# Altium PCB PCB1.PcbDoc
Units mm, origin at the board's own origin, x right, y up, seen from the top; angles counter-clockwise.
Board outline 58.42 x 99.82 mm, 2 copper layers (Top Layer, Bottom Layer); 66 components, 129 nets, 409 pads, 114 vias.
Unrouted connection lines stored in the file: 4.
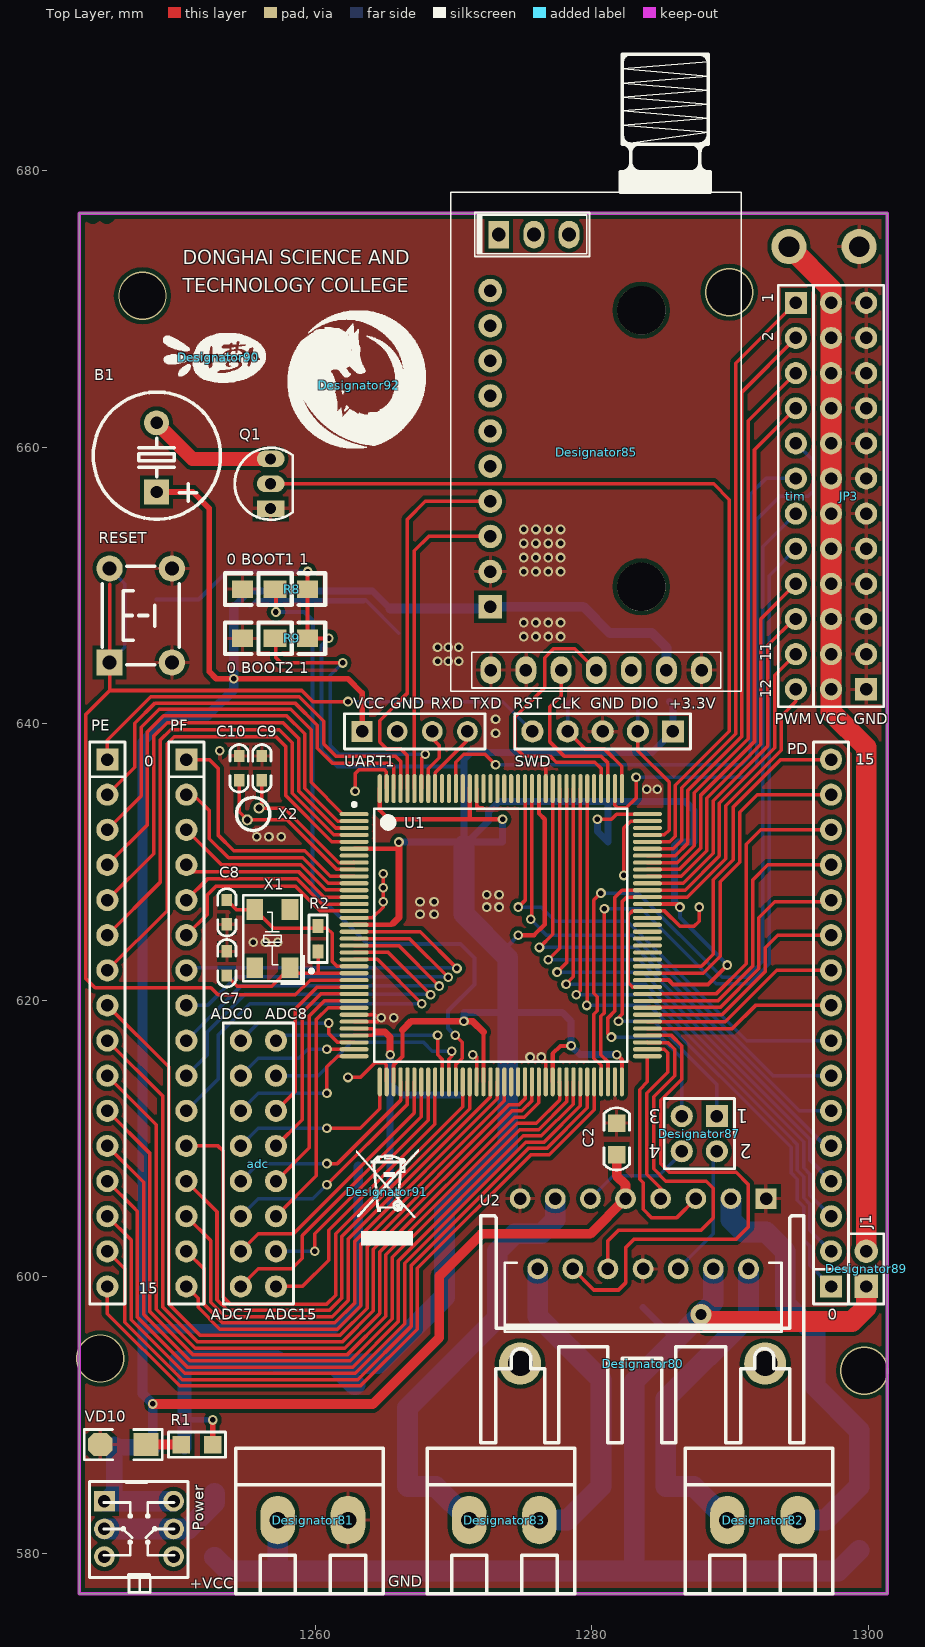
[diagram p0: Top Layer view]
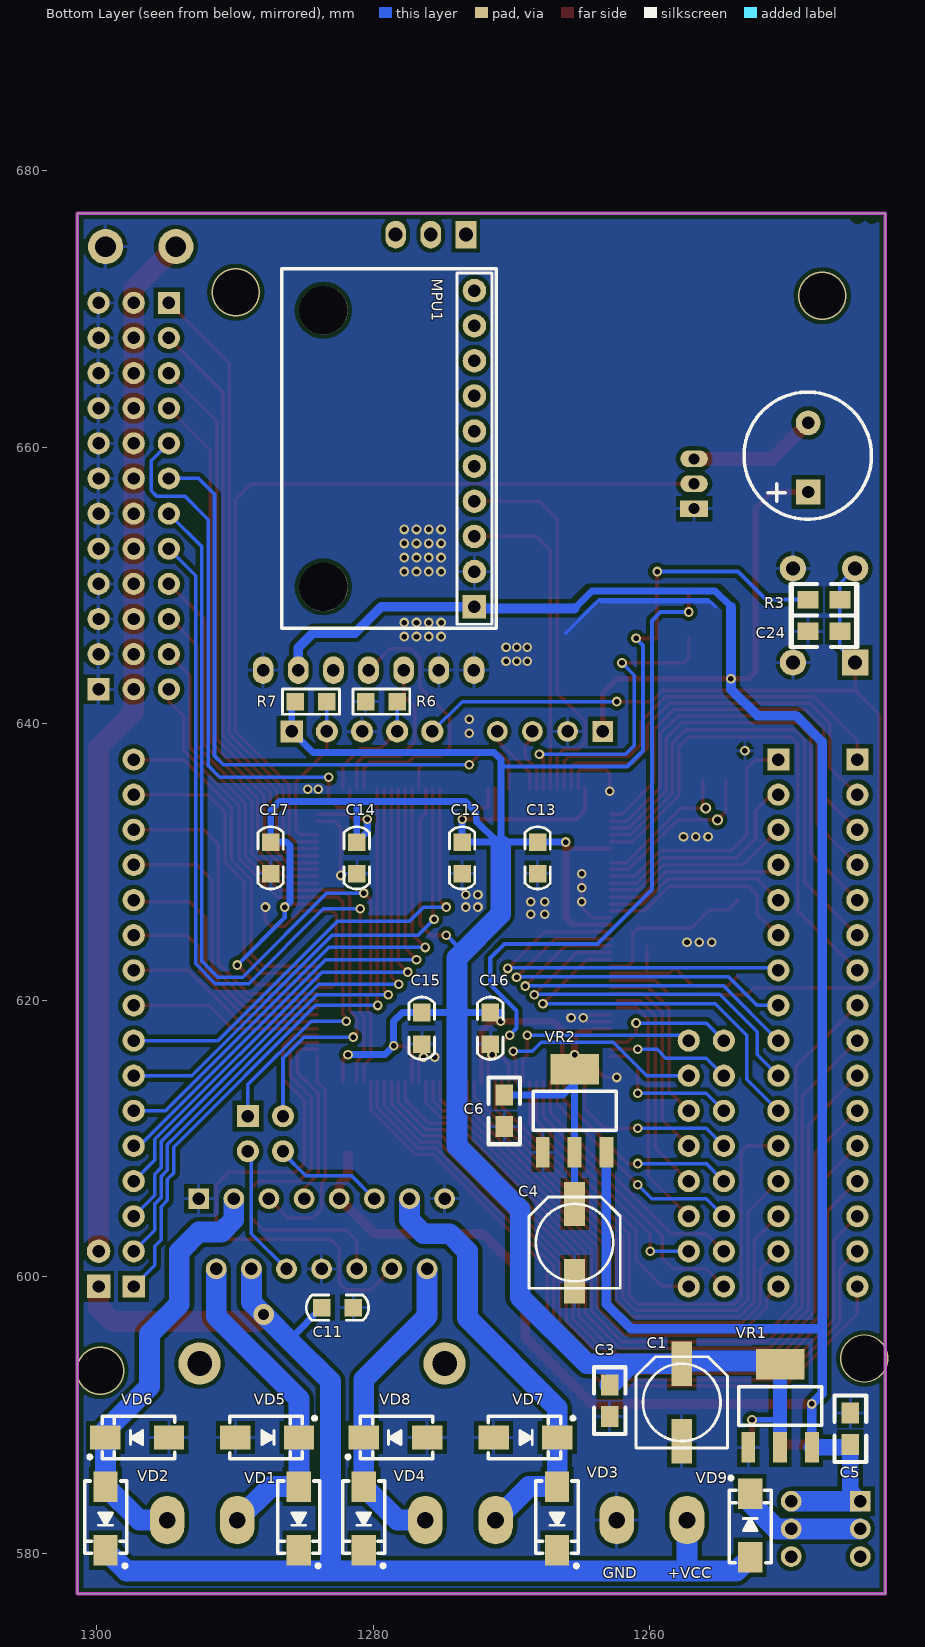
[diagram p1: Bottom Layer view, seen from below]

## Layer stack, top to bottom
Top Solder: solder mask 0.0102, Solder Resist, Dk 3.5
Top Layer: signal copper 0.0356
Dielectric1: dielectric 0.32, FR-4, Dk 4.8
Bottom Layer: signal copper 0.0356
Bottom Solder: solder mask 0.0102, Solder Resist, Dk 3.5

## Board outline
1242.949,577.088 1242.949,676.91 1301.369,676.91 1301.369,577.088

## Design rules (kind name [scope] priority, off if disabled: settings)
Clearance [All] p1: gap=0.2
PolygonConnect [All] p1: connectstyle=Relief reliefconductorwidth=0.254 reliefentries=4 polygonreliefangle="90 Angle" airgapwidth=0.254
RoutingVias [All] p1: holewidth=0.4 width=0.7 viastyle="Through Hole" minholewidth=0.2 minwidth=0.6 maxholewidth=0.711 maxwidth=1
SolderMaskExpansion [All] p1: expansion=0.102
Width [All] p1: maxlimit=2 minlimit=0.2 preferedwidth=0.254
30 further rules are at their usual default settings.

## Components (designator, comment, footprint, x,y, rotation, side; value= is the part's Value field where it differs from the comment)
"0 BOOT1 1" "10k" 0805 1257.046,649.732 r180 top (schematic designator R4)
"0 BOOT2 1" "10k" 0805 1257.046,646.176 r180 top (schematic designator R5)
adc "Header 8X2" HDR-8X2 1254.633,617.093 r270 top
B1 "DC5V" "BEEP 5x9x5.5" 1248.537,659.257 r0 top
C1 "220uF" CC6.56.5 1257.681,590.931 r270 bottom
C2 "104" "C 0805" 1281.811,609.981 r90 top
C3 "104" 0805 1262.888,592.201 r270 bottom
C4 "220uF" CC6.56.5 1265.428,602.488 r270 bottom
C5 "104" 0805 1245.489,587.883 r90 bottom
C6 "104" 0805 1270.508,613.156 r270 bottom
C7 "22pf" "C 0603" 1253.617,622.681 r90 top
C8 "22pf" "C 0603" 1253.617,626.364 r270 top
C9 "10pf" "C 0603" 1256.157,636.778 r270 top
C10 "10pf" "C 0603" 1254.506,636.778 r270 top
C11 "104" "C 0805" 1282.573,597.789 r180 bottom
C12 "104" "C 0805" 1273.556,630.301 r270 bottom
C13 "104" "C 0805" 1268.095,630.301 r270 bottom
C14 "104" "C 0805" 1281.176,630.301 r270 bottom
C15 "104" "C 0805" 1276.477,617.982 r270 bottom
C16 "104" "C 0805" 1271.524,617.982 r270 bottom
C17 "104" "C 0805" 1287.399,630.301 r270 bottom
C24 "104" 0805 1246.251,646.684 r0 bottom
Designator80 "Comment" 中型散热器 1286.256,599.059 r180 top
Designator81 "Comment" KF128-5.08-2P 1257.3,582.422 r0 top
Designator82 "Comment" KF128-5.08-2P 1289.812,582.422 r0 top
Designator83 "Comment" KF128-5.08-2P 1271.143,582.422 r0 top
Designator85 "Comment" 射频模块 1281.176,663.067 r90 top
Designator87 "Comment" HDR-2X2 1289.05,611.632 r180 top
Designator89 "Comment" HDR-1X2 1299.845,599.313 r90 top
Designator90 "Comment" logo 1252.982,666.496 r0 top
Designator91 "Comment" logo1 1265.178,606.168 r0 top
Designator92 "Comment" WOLF 1263.142,664.464 r0 top
JP3 "Header 2X11" HDR-12X2 1299.845,642.493 r90 top
MPU1 "HDR-1X10" HDR-1X10_M 1272.667,648.462 r90 bottom
PD "HDR-1X16" HDR-1X16 1297.305,599.313 r90 top
PE "HDR-1X16" HDR-1X16 1244.981,637.413 r270 top
PF "HDR-1X16" HDR-1X16 1250.696,637.413 r270 top
Power "KET 7X7" "KFT DIP-7X7" 1247.267,581.787 r0 top (schematic designator SW1)
Q1 "SS8050" TO92A 1256.792,657.352 r0 top
R1 "512" "R 0805" 1251.458,587.883 r180 top
R2 "1M" "R 0603" 1260.221,624.459 r90 top
R3 "10k" 0805 1246.251,648.97 r0 bottom
R6 "10k" "R 0805" 1279.398,641.604 r0 bottom
R7 "10k" "R 0805" 1284.478,641.604 r0 bottom
R8 "10k" 0805 1259.459,649.732 r180 top (schematic designator R4)
R9 "10k" 0805 1259.459,646.176 r180 top (schematic designator R4)
RESET "6x6x5" "TSW DIP-6*6*5" 1247.394,647.827 r90 top (schematic designator SW2)
SWD "HDR-1X5" HDR-1X5 1285.875,639.445 r180 top (schematic designator swd)
tim "HDR-1X12" HDR-1X12_M 1294.765,670.433 r270 top
U1 "STM32F103ZET6" STM-LQFP144_M 1273.429,624.713 r0 top
U2 "L298N" Multiwatt15V 1283.716,603.123 r180 top
UART1 "HDR-1X4" HDR1X4 1263.396,639.445 r0 top
VD1 "1N4007" SMA 1285.367,582.549 r270 bottom
VD2 "1N4007" SMA 1299.337,582.549 r270 bottom
VD3 "1N4007" SMA 1266.698,582.549 r270 bottom
VD4 "1N4007" SMA 1280.668,582.549 r270 bottom
VD5 "1N4007" SMA 1287.653,588.391 r180 bottom
VD6 "1N4007" SMA 1297.051,588.391 r0 bottom
VD7 "1N4007" SMA 1268.984,588.391 r180 bottom
VD8 "1N4007" SMA 1278.382,588.391 r0 bottom
VD9 "1N4007" SMA 1252.728,582.041 r90 bottom (schematic designator VD7)
VD10 "1N4007" "LED 1206G" 1246.124,587.883 r180 top (schematic designator VD7)
VR1 "AMS1117-3.3" SOT-223 1250.569,590.677 r270 bottom
VR2 "AMS1117-3.3" SOT-223 1265.428,612.013 r270 bottom
X1 "8MHz" XTAL-5032 1256.919,624.459 r90 top
X2 "32.768K" XTAL-2X6 1255.522,633.476 r45 top

## Footprints (in the part's own frame and the unit in brackets; to place one, negate y for a bottom-side part, rotate by r counter-clockwise, add the part's x,y. Pads: shape width x height; smd on the part's side, far side on the other; paste and mask are expansions set on the pad)
0805 [mil]
  rect 60x50 smd: 1(0,-0.06) 2(90,-0.06)
  silkscreen extent -50,-45 140,45
"BEEP 5x9x5.5" [mm] "5*9*5.5mm(脚距,直径,高度)"
  rect 1.8x1.8 hole 0.9: 1(0,-2.5)
  round 1.8 hole 0.9: 2(0,2.5)
  silkscreen extent -4.58,-4.47 4.62,4.72, body extent -4.5,-4.5 4.5,4.5, height 5.45
"C 0603" [mil] "无极性贴片电容"
  rect 35x30 smd: 1(-35,0) 2(34,0)
  silkscreen extent -67,-26 67,26, body extent -31,-16 31,16, height 32
"C 0805" [mil] "无极性贴片电容"
  rect 50x50 smd: 1(-45,0) 2(45,0)
  silkscreen extent -89,-36 89,36, body extent -39,-24 39,24, height 20
CC6.56.5 [mm]
  rect 3.2x1.5 smd: 1(-2.794,0) 2(2.8,0)
  silkscreen extent -3.3,-3.3 3.3,3.3
HDR1X4 [mm] "Connector; Header; 4 Position"
  rect 1.5x1.5 hole 0.9: 1(0,0)
  round 1.5 hole 0.9: 2(2.54,0) 3(5.08,0) 4(7.62,0)
  silkscreen extent -1.27,-1.27 8.89,1.27
HDR-1X2 [mm] "排针，2脚"
  rect 1.7x1.7 hole 0.9: 1(0,0)
  round 1.7 hole 0.9: 2(2.54,0)
  silkscreen extent -1.27,-1.27 3.81,1.27, body extent -1.27,-1.27 3.81,1.27, height 8.5
HDR-1X5 [mm] "排针，5脚"
  rect 1.6x1.6 hole 0.9: 1(0,0)
  round 1.6 hole 0.9: 2(2.54,0) 3(5.08,0) 4(7.62,0) 5(10.16,0)
  silkscreen extent -1.27,-1.27 11.43,1.27, body extent -1.27,-1.27 11.43,1.27, height 8.5
HDR-1X10_M [mm] "排母，10脚"
  rect 1.7x1.7 hole 0.9: 1(0,0)
  round 1.7 hole 0.9: 2(2.54,0) 3(5.08,0) 4(7.62,0) 5(10.16,0) 6(12.7,0) 7(15.24,0) 8(17.78,0) 9(20.32,0) 10(22.86,0)
  silkscreen extent -1.27,-1.27 24.13,1.27, body extent -1.27,-1.27 24.13,1.27, height 8.5
HDR-1X12_M [mm] "排母，12脚"
  rect 1.6x1.6 hole 0.9: 1(0,0)
  round 1.6 hole 0.9: 2(2.54,0) 3(5.08,0) 4(7.62,0) 5(10.16,0) 6(12.7,0) 7(15.24,0) 8(17.78,0) 9(20.32,0) 10(22.86,0) 11(25.4,0) 12(27.94,0)
  silkscreen extent -1.27,-1.27 29.21,1.27, body extent -1.27,-1.27 29.21,1.27, height 8.5
HDR-1X16 [mm] "排针，16脚"
  rect 1.6x1.6 hole 0.9: 1(0,0)
  round 1.6 hole 0.9: 2(2.54,0) 3(5.08,0) 4(7.62,0) 5(10.16,0) 6(12.7,0) 7(15.24,0) 8(17.78,0) 9(20.32,0) 10(22.86,0) 11(25.4,0) 12(27.94,0) 13(30.48,0) 14(33.02,0) 15(35.56,0) 16(38.1,0)
  silkscreen extent -1.27,-1.27 39.37,1.27, body extent -1.27,-1.27 39.37,1.27, height 8.5
HDR-2X2 [mm] "双排排针，2x2脚"
  rect 1.6x1.6 hole 0.9: 1(0,0)
  round 1.6 hole 0.9: 2(0,2.54) 3(2.54,0) 4(2.54,2.54)
  silkscreen extent -1.27,-1.27 3.81,3.81, body extent -1.27,-1.27 3.81,3.81, height 8.5
HDR-8X2 [mm] "双排排针，8x2脚"
  round 1.6 hole 0.9: 1(0,0) 2(0,2.54) 3(2.54,0) 4(2.54,2.54) 5(5.08,0) 6(5.08,2.54) 7(7.62,0) 8(7.62,2.54) 9(10.16,0) 10(10.16,2.54) 11(12.7,0) 12(12.7,2.54) 13(15.24,0) 14(15.24,2.54) 15(17.78,0) 16(17.78,2.54)
  silkscreen extent -1.27,-1.27 19.05,3.81, body extent -1.27,-1.27 19.05,3.81, height 8.5
HDR-12X2 [mm] "双排排针，12x2脚"
  rect 1.6x1.6 hole 0.9: 1(0,0)
  round 1.6 hole 0.9: 2(0,2.54) 3(2.54,0) 4(2.54,2.54) 5(5.08,0) 6(5.08,2.54) 7(7.62,0) 8(7.62,2.54) 9(10.16,0) 10(10.16,2.54) 11(12.7,0) 12(12.7,2.54) 13(15.24,0) 14(15.24,2.54) 15(17.78,0) 16(17.78,2.54) 17(20.32,0) 18(20.32,2.54) 19(22.86,0) 20(22.86,2.54) 21(25.4,0) 22(25.4,2.54) 23(27.94,0) 24(27.94,2.54)
  silkscreen extent -1.27,-1.27 29.21,3.81, body extent -1.27,-1.27 29.21,3.81, height 8.5
KF128-5.08-2P [mm] "螺钉式接线端子，脚距5.08mm"
  oval 2.5x3.5 hole 1.2: 1(0,0) 2(5.08,0)
  silkscreen extent -3.05,-5.31 7.62,5.21, body extent -3.04,-5.3 7.62,5.2, height 14.15
"KFT DIP-7X7" [mm] "自锁开关，规格：7*7mm"
  rect 1.5x1.5 hole 0.9: 1(-2.5,2)
  round 1.5 hole 0.9: 2(-2.5,0) 3(-2.5,-2) 4(2.5,-2) 5(2.5,0) 6(2.5,2)
  silkscreen extent -3.58,-4.58 3.56,3.42, body extent -3.5,-3.5 3.5,3.5, height 11.2
"LED 1206G" [mil] "绿色1206LED"
  rect 70x65 smd: 1(-65,0)
  oct 70x65 smd: 2(65,0)
  silkscreen extent -111,-43 111,43, body extent -63,-32 63,32, height 40
logo [mm]
  silkscreen extent -3.97,-1.8 3.47,1.75
logo1 [mm]
  silkscreen extent -2.22,-3.84 2.31,3.07
Multiwatt15V [mm] "TO, Thru-Hole, Vertical, Heatsink Mounted; 15 Bent Staggered Leads; Pitch 1.27 mm"
  rect 1.5x1.5 hole 0.9: 1(-8.89,-2.54)
  round 1.5 hole 0.9: 2(-7.62,2.54) 3(-6.35,-2.54) 4(-5.08,2.54) 5(-3.81,-2.54) 6(-2.54,2.54) 7(-1.27,-2.54) 8(0,2.54) 9(1.27,-2.54) 10(2.54,2.54) 11(3.81,-2.54) 12(5.08,2.54) 13(6.35,-2.54) 14(7.62,2.54) 15(8.89,-2.54)
  silkscreen extent -10,2.09 10,7.09
"R 0603" [mil] "1/10W贴片电阻"
  rect 40x31.5 smd: 1(-36.5,0) 2(36.5,0)
  silkscreen extent -68,-26 68,26, body extent -31,-16 31,16, height 16
"R 0805" [mil] "1/8W贴片电阻"
  rect 50x50 smd: 1(-45,0) 2(45,0)
  silkscreen extent -81,-36 81,36, body extent -39,-25 39,25, height 20
SMA [mm] "4.5x2.6*2.2mm（长宽高，不包括引脚）"
  rect 2.2x1.75 smd: 1(-2.3,0) 2(2.3,0)
  silkscreen extent -2.7,-1.52 3.56,1.52, body extent -2.53,-1.3 2.57,1.3, height 2.15
SOT-223 [mm]
  rect 2.2x1 smd: 1(3,-2.3) 2(3,0) 3(3,2.3)
  rect 2.2x3.5 smd: 2(-3,0)
  silkscreen extent -1.4,-3 1.4,3, body extent -3.49,-3.24 3.49,3.24, height 1.64
STM-LQFP144_M [mm] "Thin QFP, 144-Leads, Body 20x20mm, Pitch 0.5mm, IPC Low Density"
  oval 2.1x0.3 smd: 1(-10.6,8.75) 2(-10.6,8.25) 3(-10.6,7.75) 4(-10.6,7.25) 5(-10.6,6.75) 6(-10.6,6.25) 7(-10.6,5.75) 8(-10.6,5.25) 9(-10.6,4.75) 10(-10.6,4.25) 11(-10.6,3.75) 12(-10.6,3.25) 13(-10.6,2.75) 14(-10.6,2.25) 15(-10.6,1.75) 16(-10.6,1.25) 17(-10.6,0.75) 18(-10.6,0.25) 19(-10.6,-0.25) 20(-10.6,-0.75) 21(-10.6,-1.25) 22(-10.6,-1.75) 23(-10.6,-2.25) 24(-10.6,-2.75) 25(-10.6,-3.25) 26(-10.6,-3.75) 27(-10.6,-4.25) 28(-10.6,-4.75) 29(-10.6,-5.25) 30(-10.6,-5.75) 31(-10.6,-6.25) 32(-10.6,-6.75) 33(-10.6,-7.25) 34(-10.6,-7.75) 35(-10.6,-8.25) 36(-10.6,-8.75) 73(10.6,-8.75) 74(10.6,-8.25) 75(10.6,-7.75) 76(10.6,-7.25) 77(10.6,-6.75) 78(10.6,-6.25) 79(10.6,-5.75) 80(10.6,-5.25) 81(10.6,-4.75) 82(10.6,-4.25) 83(10.6,-3.75) 84(10.6,-3.25) 85(10.6,-2.75) 86(10.6,-2.25) 87(10.6,-1.75) 88(10.6,-1.25) 89(10.6,-0.75) 90(10.6,-0.25) 91(10.6,0.25) 92(10.6,0.75) 93(10.6,1.25) 94(10.6,1.75) 95(10.6,2.25) 96(10.6,2.75) 97(10.6,3.25) 98(10.6,3.75) 99(10.6,4.25) 100(10.6,4.75) 101(10.6,5.25) 102(10.6,5.75) 103(10.6,6.25) 104(10.6,6.75) 105(10.6,7.25) 106(10.6,7.75) 107(10.6,8.25) 108(10.6,8.75)
  oval 0.3x2.1 smd: 37(-8.75,-10.6) 38(-8.25,-10.6) 39(-7.75,-10.6) 40(-7.25,-10.6) 41(-6.75,-10.6) 42(-6.25,-10.6) 43(-5.75,-10.6) 44(-5.25,-10.6) 45(-4.75,-10.6) 46(-4.25,-10.6) 47(-3.75,-10.6) 48(-3.25,-10.6) 49(-2.75,-10.6) 50(-2.25,-10.6) 51(-1.75,-10.6) 52(-1.25,-10.6) 53(-0.75,-10.6) 54(-0.25,-10.6) 55(0.25,-10.6) 56(0.75,-10.6) 57(1.25,-10.6) 58(1.75,-10.6) 59(2.25,-10.6) 60(2.75,-10.6) 61(3.25,-10.6) 62(3.75,-10.6) 63(4.25,-10.6) 64(4.75,-10.6) 65(5.25,-10.6) 66(5.75,-10.6) 67(6.25,-10.6) 68(6.75,-10.6) 69(7.25,-10.6) 70(7.75,-10.6) 71(8.25,-10.6) 72(8.75,-10.6) 109(8.75,10.6) 110(8.25,10.6) 111(7.75,10.6) 112(7.25,10.6) 113(6.75,10.6) 114(6.25,10.6) 115(5.75,10.6) 116(5.25,10.6) 117(4.75,10.6) 118(4.25,10.6) 119(3.75,10.6) 120(3.25,10.6) 121(2.75,10.6) 122(2.25,10.6) 123(1.75,10.6) 124(1.25,10.6) 125(0.75,10.6) 126(0.25,10.6) 127(-0.25,10.6) 128(-0.75,10.6) 129(-1.25,10.6) 130(-1.75,10.6) 131(-2.25,10.6) 132(-2.75,10.6) 133(-3.25,10.6) 134(-3.75,10.6) 135(-4.25,10.6) 136(-4.75,10.6) 137(-5.25,10.6) 138(-5.75,10.6) 139(-6.25,10.6) 140(-6.75,10.6) 141(-7.25,10.6) 142(-7.75,10.6) 143(-8.25,10.6) 144(-8.75,10.6)
  silkscreen extent -10.72,-9.15 9.15,9.57, body extent -10,-10 10,10, height 1.6
TO92A [mm] "92晶体管"
  rect 2x1.2 hole 0.8: 1(0,-1.8)
  oval 2x1.2 hole 0.8: 2(0,0) 3(0,1.8)
  silkscreen extent -2.6,-2.6 1.6,2.6, body extent -2.3,-2.3 1.3,2.3, height 7.6
"TSW DIP-6*6*5" [mm] "6*6*5mm"
  rect 1.9x1.9 hole 1: 1(-3.4,2.25)
  round 1.9 hole 1: 2(-3.4,-2.25) 3(3.4,-2.25) 4(3.4,2.25)
  silkscreen extent -3.56,-2.79 3.56,2.79, body extent -4.11,-3 4.11,3, height 4.95
WOLF [mm]
  silkscreen extent -5.13,-4.52 4.85,5.41
XTAL-2X6 [mm]
  round 0.8 hole 0.5: 1(0.6,0) 2(-0.6,0)
  silkscreen extent -1.2,-1.2 1.2,1.2, body extent -1.48,-1.48 1.48,1.48, height 6.4
XTAL-5032 [mm]
  rect 1.5x1.2 smd: 1(-2.108,-1.27) 2(2.108,-1.27) 3(2.108,1.27) 4(-2.108,1.27)
  silkscreen extent -3.35,-2.95 3.15,2.11, body extent -2.5,-1.6 2.5,1.6, height 1
中型散热器 [mil]
  round 120 hole 70: 0(-247.5,209.25) 0(450,209.25)
  silkscreen extent -358,-211 562,434
射频模块 [mm]
  oval 2x1.5 hole 0.9: 1(-19.191,-6.77) 2(-19.191,-4.23) 3(-19.191,-1.69) 4(-19.191,0.85) 5(-19.191,3.39) 6(-19.191,5.93) 7(-19.191,8.47)
  oval 2x1.5 hole 1: a(12.299,2.81) a(12.299,5.35)
  rect 2x1.5 hole 1: a(12.299,7.89)
  silkscreen extent -20.7,-9.65 25.35,11.35

## Part data
"0 BOOT1 1" "0 BOOT2 1" R1 R2 R3 R6 R7 R8 R9: library part R, "贴片电阻"
adc: "8*2P接插件"
B1: library part BEEP, "蜂鸣器"
C1 C4: library part CAP
C2 C3 C5 C6 C7 C8 C9 C10 C11 C12 C13 C14 C15 C16 C17 C24: library part C, "无极性贴片电容"
JP3: library part "Header 12X2", "12*2P接插件"
MPU1: library part "Header 10", "10P接插件"
PD PE PF: library part "Header 16", "16P接插件"
Power: "7*7自锁开关"
Q1: library part 8050-DIP, "高频放大-NPN型"
RESET: library part "TSW DIP-6x6", "直插6x6轻触开关"
SWD: library part "Header 5", "5P接插件"
tim: library part "Header 12", "12P接插件"
U1: "ARM Cortex-M3 32-bit MCU, 512 KB Flash, 64 KB Internal RAM, 112 I/Os, 144-pin LQFP, -40 to 85 degC, Tray"
U2: "Dual Full Bridge Driver"
UART1: library part "Header 4", "4P接插件"
VD1 VD2 VD3 VD4 VD5 VD6 VD7 VD8 VD9 VD10: "整流二极管"
VR1 VR2: library part "SOT-223 AMS1117-3.3", "低压差线性稳压(LDO)"
X1 X2: library part XTAL-2, "2脚晶振"

## Free pads (board coordinates)
  round 3.5 hole 3.5: 0(1283.587,649.896) 0(1283.587,669.896)
  round 2.54 hole 1.5: 0(1294.257,674.497) 1(1299.337,674.497)

## Via types
v1: diameter 0.7, hole 0.4, Top Layer to Bottom Layer, 109 vias
v2: diameter 3.5, hole 3.3, Top Layer to Bottom Layer, 4 vias
v3: diameter 1.5, hole 0.8, Top Layer to Bottom Layer, 1 vias

## Nets (pads, with @x,y where several pads share a name; then routed paths per layer and width w, separated by ;. In a path a pad name is that pad's centre, name@x,y a point inside that pad or via, vN(x,y) a via of type N, cw(c..) or ccw(c..) an arc to the next point about the centre after c; other vN are vias at no path point)
ADC0: adc.1 U1.34 | length 9.7
  Top Layer w0.254: v1(1260.983,618.363) 1260.983,617.601 1261.618,616.966 1262.826,616.966 U1.34
  Bottom Layer w0.254: adc.1 1255.903,618.363 v1(1260.983,618.363)
ADC1: adc.3 U1.35 | length 9
  Top Layer w0.254: v1(1260.856,616.458) 1262.824,616.458 U1.35
  Bottom Layer w0.254: adc.3 1255.903,615.823 1258.824,615.823 1259.459,616.458 v1(1260.856,616.458)
ADC2: adc.5 U1.36 | length 10.9
  Top Layer w0.254: v1(1260.856,613.283) 1260.856,615.188 1261.631,615.963 U1.36
  Bottom Layer w0.254: adc.5 1255.903,613.283 v1(1260.856,613.283)
ADC3: adc.7 U1.37 | length 13.1
  Top Layer w0.254: v1(1260.856,610.743) 1263.262,610.743 1264.679,612.16 U1.37
  Bottom Layer w0.254: adc.7 1255.903,610.743 v1(1260.856,610.743)
ADC4: adc.9 U1.40 | length 15.3
  Top Layer w0.254: v1(1260.856,608.203) 1261.618,608.203 1266.179,612.764 U1.40
  Bottom Layer w0.254: adc.9 1255.903,608.203 v1(1260.856,608.203)
ADC5: adc.11 U1.41 | length 17
  Top Layer w0.254: v1(1260.856,606.679) 1266.679,612.502 U1.41
  Bottom Layer w0.254: adc.11 1255.903,605.663 1259.84,605.663 v1(1260.856,606.679)
ADC6: adc.13 U1.42 | length 18.9
  Top Layer w0.254: adc.13 1255.903,603.123 1258.443,603.123 1267.179,611.859 U1.42
ADC7: adc.15 U1.43 | length 21.6
  Top Layer w0.254: adc.15 1255.903,600.583 1258.316,600.583 1259.078,601.345 1259.078,602.996 1267.679,611.597 U1.43
ADC8: adc.2 U1.46 | length 15.3
  Top Layer w0.254: v1(1268.857,617.474) 1268.857,616.077 1269.179,615.755 U1.46
  Bottom Layer w0.254: adc.2 1257.554,617.474 v1(1268.857,617.474)
ADC9: adc.4 U1.47 | length 16.3
  Top Layer w0.254: U1.47 1269.679,615.756 1269.873,615.95 v1(1269.873,616.331)
  Bottom Layer w0.254: adc.4 1260.221,614.553 1262.634,616.966 1267.841,616.966 1268.476,616.331 v1(1269.873,616.331)
ADC10: adc.6 U1.26 | length 12.9
  Top Layer w0.254: adc.6 1258.57,613.41 1258.57,619.379 1260.154,620.963 U1.26
ADC11: adc.8 U1.27 | length 14.7
  Top Layer w0.254: adc.8 1259.078,611.378 1259.078,619.125 1260.416,620.463 U1.27
ADC12: adc.10 U1.28 | length 16.1
  Top Layer w0.254: adc.10 1259.586,609.346 1259.586,618.871 1260.678,619.963 U1.28@1262.321,619.963
ADC13: adc.12 U1.29 | length 18
  Top Layer w0.254: adc.12 1260.094,607.314 1260.094,618.617 1260.94,619.463 U1.29@1262.321,619.463
ADC14: adc.14 U1.44 | length 18.5
  Top Layer w0.254: v1(1259.967,601.853) 1259.967,603.123 1268.179,611.335 U1.44
  Bottom Layer w0.254: adc.14 v1(1259.967,601.853)
ADC15: adc.16 U1.45 | length 20.7
  Top Layer w0.254: adc.16 1259.078,599.313 1260.983,601.218 1260.983,603.377 1268.656,611.05 1268.656,614.09 U1.45
BEEP: Q1.2 U1.104 | length 66
  Top Layer w0.254: Q1.2 1264.666,657.352 ; 1260.475,657.352 1264.666,657.352 ; U1.104 1285.64,631.463 1286.053,631.876 1286.053,635.566 1289.955,639.468 1289.955,656.209 1288.812,657.352 1264.666,657.352
BOOT0: "0 BOOT2 1.1" R9.2 U1.138 | length 22.4
  Top Layer w0.254: R9.2 1257.173,644.779 1257.554,644.398 v1(1261.999,644.398) ; U1.138 1267.702,635.336 1267.702,637.528 v1(1267.968,637.794)
  Bottom Layer w0.254: v1(1261.999,644.398) 1261.11,643.509 1261.11,638.429 1261.745,637.794 v1(1267.968,637.794)
BOOT1: "0 BOOT1 1.1" R8.2 U1.48 | length 48.1
  Top Layer w0.254: v1(1270.127,617.474) 1270.635,616.966 1270.635,615.823 1270.179,615.367 U1.48
  Top Layer w0.3: v1(1257.173,648.081) R8.2
  Bottom Layer w0.3: v1(1257.173,648.081) 1259.205,648.081 1259.84,647.446 1259.84,645.952 1259.825,645.937 1259.825,628.03 1263.777,624.078 1270.508,624.078 1271.524,623.062 1271.524,621.157 1269.619,619.252 1269.619,617.982 v1(1270.127,617.474)
CLK: R6.1 SWD.4 U1.109 | length 9
  Top Layer w0.254: SWD.4 1279.525,638.175 1280.922,638.175 1282.179,636.918 U1.109
  Bottom Layer w0.254: SWD.4 1278.255,641.477 R6.1@1278.509,641.731
DIO: R7.1 SWD.2 U1.105 | length 11.9
  Top Layer w0.254: SWD.2 1283.335,638.048 1285.599,635.784 1285.599,632.311 1285.251,631.963 U1.105
  Bottom Layer w0.254: SWD.2 R7.1
GND: "0 BOOT1 1.2" "0 BOOT2 1.2" C1.2 C2.2 C3.2 C4.2 C5.2 C6.2 C7.2 C8.2 C9.1 C10.1 C11.2 C12.2 C13.2 C14.2 C15.2 C16.2 C17.2 C24.2 Designator81.2 Designator85.1 Designator85.6 Designator85.7 JP3.1 JP3.3 JP3.5 JP3.7 JP3.9 JP3.11 JP3.13 JP3.15 JP3.17 JP3.19 JP3.21 JP3.23 MPU1.2 pad.1 Q1.1 R6.2 RESET.2 RESET.3 SWD.3 U1.16 U1.30 U1.31 U1.38 U1.51 U1.61 U1.71 U1.83 U1.94 U1.107 U1.120 U1.130 U1.143 U2.1 U2.8 U2.15 UART1.2 VD5.1 VD6.1 VD7.1 VD8.1 VD10.2 VR1.1 VR2.1 | length 65.2
  Top Layer w0.254: v1(1262.38,614.426) 1263.269,614.426 1264.349,615.505 1264.984,615.505 1265.156,615.333 1265.156,614.136 U1.38 ; U1.31 1264.512,618.463 1264.539,618.49 ; U1.30 1264.32,618.963 1264.412,618.871 ; U1.16 1264.138,625.963 1264.92,626.745 v1(1264.92,627.126) v1(1264.92,628.142) v1(1264.92,629.158) ; v1(1262.888,635.127) 1262.888,636.397 1263.181,636.69 1265.001,636.69 1265.156,636.535 1265.156,635.336 U1.143 ; v1(1271.397,616.077) 1271.397,616.204 1271.679,615.922 U1.51 ; 1271.679,633.924 1271.679,634.111 ; U1.130 1271.679,634.111 ; 1272.138,633.936 1271.854,633.936 1271.679,634.111 ; v1@1276.35,615.95 1276.679,615.621 U1.61 ; 1276.604,636.905 1276.679,636.83 U1.120 ; v1(1282.319,629.031) 1282.319,632.46 1282.822,632.963 U1.107 ; U1.94@1284.006,626.44 U1.94 ; v1(1287.78,626.745) 1287.78,625.729 1287.399,625.348 1286.383,625.348 1285.268,626.463 U1.94 ; 1282.931,620.986 1282.954,620.963 U1.83 1284.006,620.986 1282.931,620.986 ; 1282.931,620.986 1282.646,621.271 1282.646,626.155 1282.954,626.463 U1.94